# Altium PCB 4_layers_Testboard.PcbDoc (part 2 of 3)
Units mil, origin at the board's own origin, x right, y up, seen from the top; angles counter-clockwise.
Board outline 5500 x 5000 mil, 4 copper layers (Top layer, Inner Layer 1, Inner Layer 2, Bottom Layer), stack 13.956 mil thick; 137 components, 95 nets, 1379 pads, 755 vias.
Unrouted connection lines stored in the file: 363.
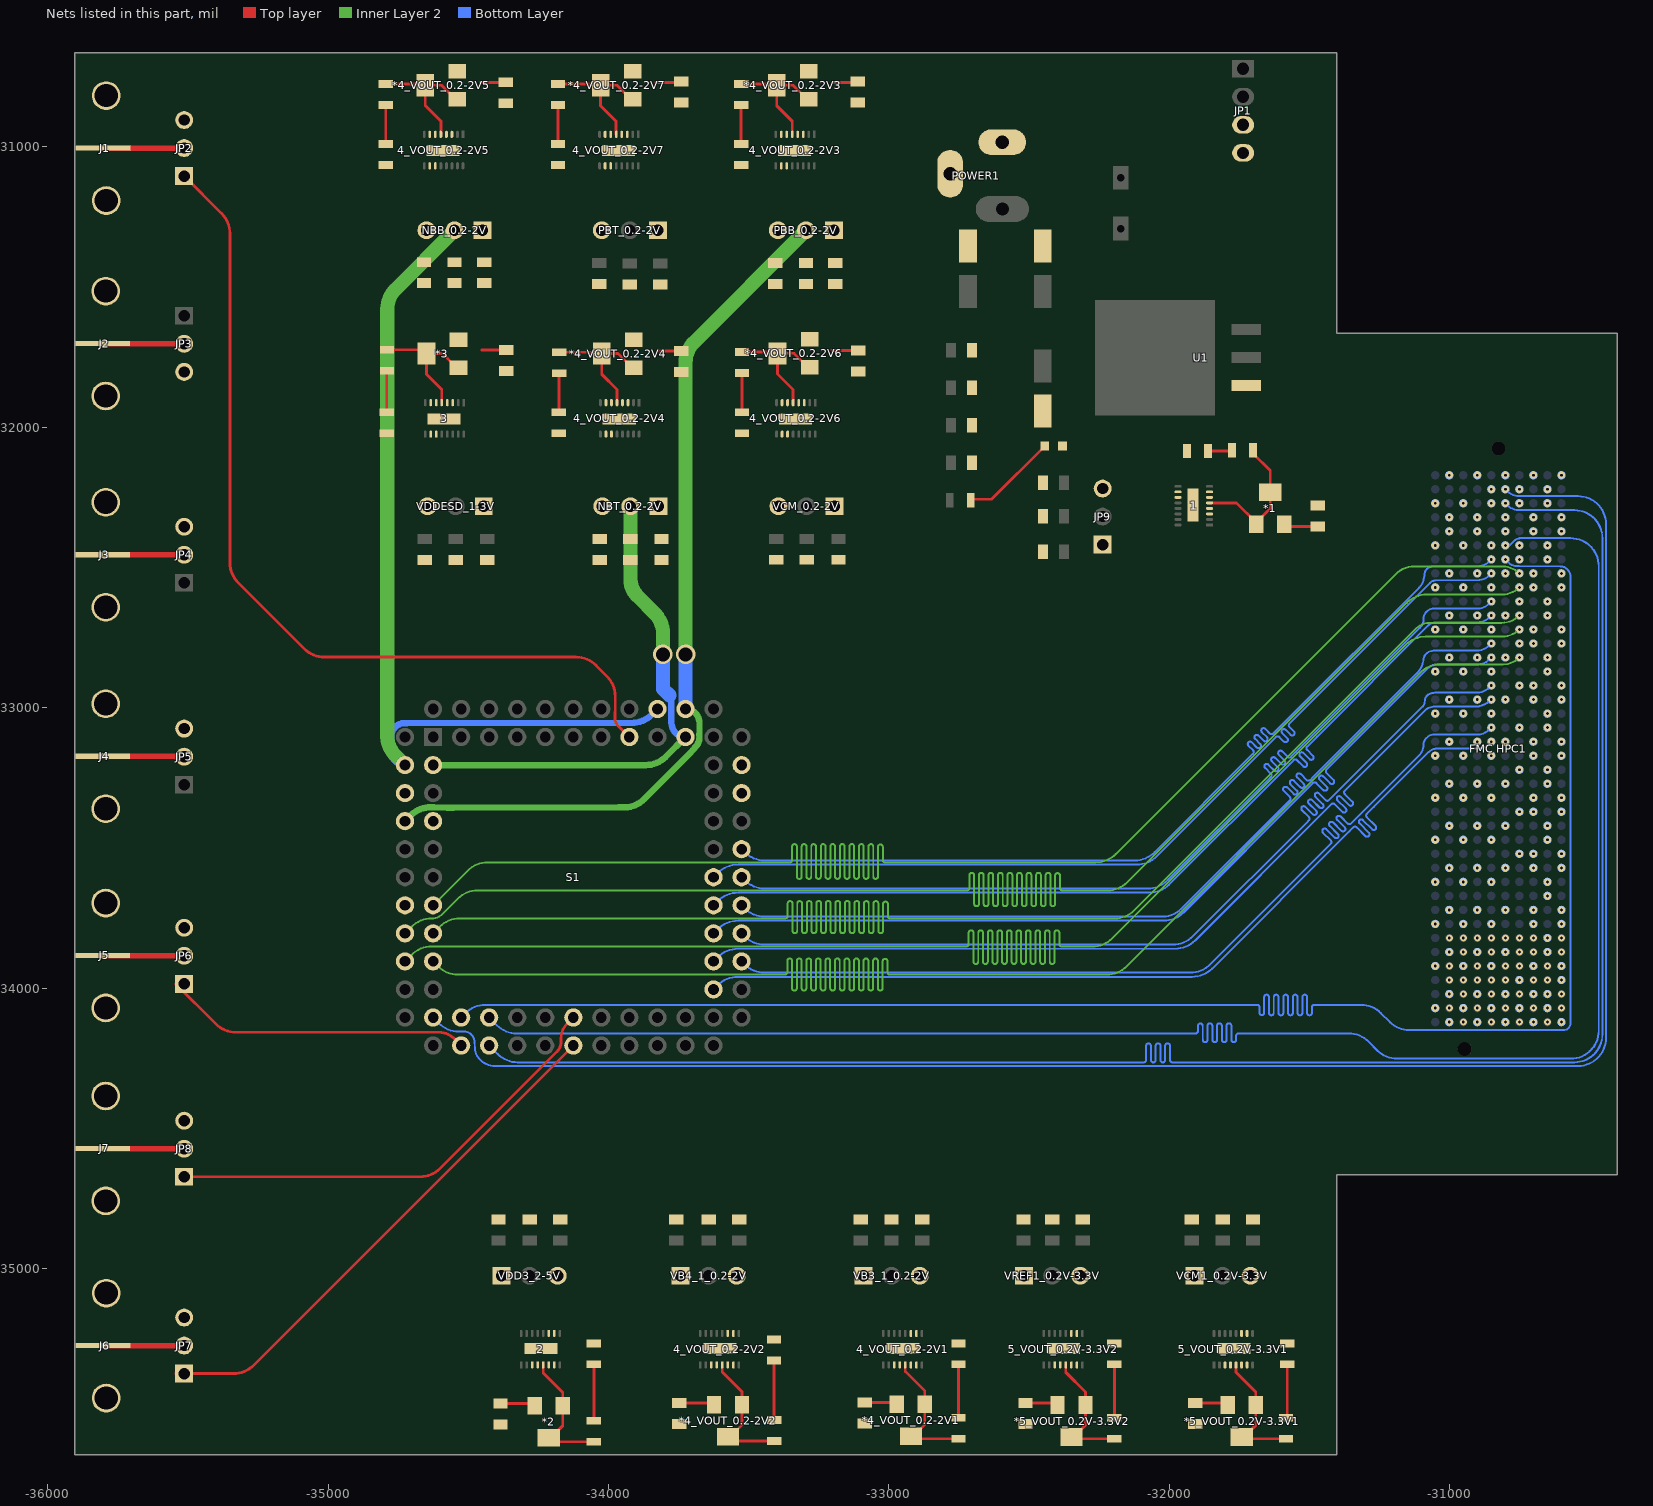
[diagram p4: the nets of this part, all layers, seen from the top]

## Via types
v1: diameter 25, hole 10, Top layer to Bottom Layer, 399 vias
v2: diameter 16, hole 8, Top layer to Bottom Layer, 336 vias
v3: diameter 70, hole 50, Top layer to Bottom Layer, 15 vias
v4: diameter 50, hole 35, Top layer to Bottom Layer, 2 vias
v5: diameter 32, hole 16, Top layer to Bottom Layer, 2 vias
v6: diameter 25, hole 10, Top layer to Bottom Layer, tented both sides, 1 vias

## Nets (pads, with @x,y where several pads share a name; then routed paths per layer and width w, separated by ;. In a path a pad name is that pad's centre, name@x,y a point inside that pad or via, vN(x,y) a via of type N, cw(c..) or ccw(c..) an arc to the next point about the centre after c; other vN are vias at no path point) (continued)
ADC_DOUT1: "FMC HPC1.F20" S1.15 | length 3355.5
  Bottom Layer w7: S1.15@-33625.44,-34005 -33609.73,-33989.29 cw(c-33539.02,-34060) -33539.02,-33960 -31918.42,-33960 ccw(c-31918.42,-33860) -31847.71,-33930.71 -31358.53,-33441.53 -31344.03,-33427.03 cw(c-31338.02,-33433.04) -31332.01,-33427.03 -31301.12,-33457.92 ccw(c-31295.11,-33451.91) -31289.1,-33457.92 ccw(c-31295.11,-33451.91) -31289.1,-33445.9 -31321.8,-33413.2 cw(c-31315.79,-33407.19) -31321.8,-33401.18 cw(c-31315.79,-33407.19) -31309.78,-33401.18 -31277.08,-33433.88 ccw(c-31271.07,-33427.87) -31265.06,-33433.88 ccw(c-31271.07,-33427.87) -31265.06,-33421.86 -31295.95,-33390.97 cw(c-31289.94,-33384.96) -31295.95,-33378.95 -31270.98,-33353.98 -31074.95,-33157.95 cw(c-31047.97,-33184.93) -31065.52,-33151.05 ccw(c-31068.78,-33144.85) -31065.09,-33150.8 cw(c-31052,-33171.51) -31053.95,-33147.09 ccw(c-31054.54,-33140.11) -31053.51,-33147.04 -31050.83,-33146.64 cw(c-31049.79,-33153.56) -31049.83,-33146.56 -30984.39,-33146.56 -30955.13,-33146.37 -30901.84,-33146.01 ccw(c-30901.84,-33084.84) -30858.58,-33128.1 v1(-30852,-33121.51) v1@-30862.47,-33121.51
ADC_DOUT2: "FMC HPC1.F19" S1.16 | length 3373.1
  Bottom Layer w7: S1.16@-33525.44,-33905 -33514.73,-33915.71 ccw(c-33444.02,-33845) -33444.02,-33945 -31925.42,-33945 ccw(c-31925.42,-33845) -31854.71,-33915.71 -31427.09,-33488.09 -31424.61,-33485.61 ccw(c-31430.63,-33479.6) -31424.61,-33473.59 -31452.34,-33445.87 cw(c-31446.33,-33439.86) -31452.34,-33433.85 cw(c-31446.33,-33439.86) -31440.32,-33433.85 -31410.79,-33463.38 ccw(c-31404.78,-33457.37) -31398.77,-33463.38 ccw(c-31404.78,-33457.37) -31398.77,-33451.36 -31428.3,-33421.83 cw(c-31422.29,-33415.82) -31428.3,-33409.81 cw(c-31422.29,-33415.82) -31416.28,-33409.81 -31386.74,-33439.34 ccw(c-31380.73,-33433.33) -31374.72,-33439.34 ccw(c-31380.73,-33433.33) -31374.72,-33427.32 -31401.6,-33400.45 cw(c-31395.59,-33394.43) -31401.6,-33388.42 cw(c-31395.59,-33394.44) -31389.58,-33388.42 -31364.51,-33413.49 ccw(c-31358.5,-33407.48) -31352.49,-33413.49 -31327.05,-33388.05 -31110.26,-33171.26 ccw(c-31149.53,-33132) -31094,-33132 cw(c-31062.86,-33132) -31084.88,-33109.98 -31082.46,-33107.56 cw(c-31054.57,-33135.46) -31054.57,-33096.01 -30902,-33096.01 ccw(c-30902,-33034.45) -30892.88,-33095.33 ccw(c-30902,-33034.45) -30867.42,-33085.38 ; -30867.42,-33085.38 ccw(c-30902,-33034.45) -30858.47,-33077.98 v1(-30852,-33071.51) -30858.79,-33077.62 -30867.42,-33085.38
ADC_DOUT3: "FMC HPC1.F17" S1.17 | length 3394.7
  Bottom Layer w7: S1.17@-33625.44,-33905 -33609.73,-33889.29 cw(c-33539.02,-33960) -33539.02,-33860 -31979.42,-33860 ccw(c-31979.42,-33760) -31908.71,-33830.71 -31437.05,-33359.05 -31422.55,-33344.55 cw(c-31416.54,-33350.56) -31410.53,-33344.55 -31383.34,-33371.75 ccw(c-31377.32,-33365.74) -31371.31,-33371.75 ccw(c-31377.32,-33365.74) -31371.31,-33359.73 -31400.82,-33330.22 cw(c-31394.81,-33324.21) -31400.82,-33318.2 cw(c-31394.81,-33324.21) -31388.8,-33318.2 -31359.29,-33347.71 ccw(c-31353.28,-33341.7) -31347.27,-33347.71 ccw(c-31353.28,-33341.7) -31347.27,-33335.68 -31374.47,-33308.49 cw(c-31368.46,-33302.48) -31374.47,-33296.47 -31339.44,-33261.44 -31087.19,-33009.19 cw(c-31057.47,-33038.91) -31057.47,-32996.88 cw(c-31057,-33040.05) -31057,-32996.88 -30944.99,-32996.25 -30911.73,-32996.25 ccw(c-30911.73,-32911.78) -30904.8,-32995.97 cw(c-30904.15,-33002.94) -30903.7,-32995.95 ccw(c-30902,-32971.51) -30892.66,-32994.16 cw(c-30889.98,-33000.63) -30891.67,-32993.84 ccw(c-30911.73,-32911.78) v1(-30852,-32971.51) cw(c-30913.53,-32909.98) -30894.98,-32995
ADC_DOUT4: "FMC HPC1.F16" S1.18 | length 3345.8
  Bottom Layer w7: S1.18@-33525.44,-33805 -33514.73,-33815.71 ccw(c-33444.02,-33745) -33444.02,-33845 -31987.42,-33845 ccw(c-31987.42,-33745) -31916.71,-33815.71 -31505.57,-33404.57 -31503.09,-33402.09 ccw(c-31509.1,-33396.08) -31503.09,-33390.07 -31527.16,-33366.01 cw(c-31521.15,-33360) -31527.16,-33353.99 cw(c-31521.15,-33360) -31515.14,-33353.99 -31488.77,-33380.36 ccw(c-31482.75,-33374.35) -31476.74,-33380.36 ccw(c-31482.75,-33374.35) -31476.74,-33368.34 -31503.12,-33341.97 cw(c-31497.11,-33335.96) -31503.12,-33329.95 cw(c-31497.11,-33335.96) -31491.09,-33329.95 -31464.72,-33356.32 ccw(c-31458.71,-33350.31) -31452.7,-33356.32 ccw(c-31458.71,-33350.31) -31452.7,-33344.3 -31479.07,-33317.93 cw(c-31473.06,-33311.92) -31479.07,-33305.9 cw(c-31473.06,-33311.92) -31467.05,-33305.9 -31442.99,-33329.97 ccw(c-31436.98,-33323.96) -31430.97,-33329.97 -31374.94,-33273.94 -31096.37,-32995.37 ccw(c-31113.25,-32978.5) -31089.39,-32978.5 cw(c-31058.35,-32978.5) -31058.35,-32947.47 -31054.14,-32947.11 ; -31054.11,-32947.1 cw(c-31052,-32971.51) -31052.16,-32947.01 -31052.11,-32947.01 -30902,-32946.01 ccw(c-30902,-32884.45) -30858.47,-32927.98 v1(-30852,-32921.51)
ADC_DOUT5: "FMC HPC1.F14" S1.19 | length 3348
  Bottom Layer w7: S1.19@-33625.44,-33805 -33609.73,-33789.29 cw(c-33539.02,-33860) -33539.02,-33760 -32020.42,-33760 ccw(c-32020.42,-33660) -31949.71,-33730.71 -31502.55,-33283.55 -31488.05,-33269.05 cw(c-31482.04,-33275.06) -31476.03,-33269.05 -31450.97,-33294.12 ccw(c-31444.96,-33288.11) -31438.95,-33294.12 ccw(c-31444.96,-33288.11) -31438.95,-33282.09 -31464.01,-33257.03 cw(c-31458,-33251.02) -31464.01,-33245.01 cw(c-31458,-33251.02) -31451.99,-33245.01 -31426.93,-33270.07 ccw(c-31420.91,-33264.06) -31414.9,-33270.07 ccw(c-31420.91,-33264.06) -31414.9,-33258.05 -31439.97,-33232.99 cw(c-31433.96,-33226.98) -31439.97,-33220.97 -31425.03,-33206.03 -31079.87,-32860.87 cw(c-31044,-32896.74) -31063.99,-32850.12 ccw(c-31066.8,-32843.71) -31063.55,-32849.9 cw(c-31052,-32871.51) -31055.01,-32847.2 ccw(c-31055.93,-32840.26) -31054.53,-32847.12 cw(c-31044,-32896.74) -31044,-32846.01 -30902,-32846.01 ccw(c-30901.98,-32784.49) -30876.38,-32840.43 ccw(c-30901.98,-32784.49) -30858.48,-32827.99 v1(-30852,-32821.51)
ADC_DOUT6: "FMC HPC1.F13" S1.20 | length 3353.8
  Bottom Layer w7: S1.20@-33525.44,-33705 -33514.73,-33715.71 ccw(c-33444.02,-33645) -33444.02,-33745 -32023.18,-33745 ccw(c-32023.18,-33652.82) -31958,-33718 -31573.05,-33333.05 -31570.57,-33330.57 ccw(c-31576.58,-33324.56) -31570.57,-33318.55 -31592.26,-33296.87 cw(c-31586.25,-33290.86) -31592.26,-33284.85 cw(c-31586.25,-33290.86) -31580.24,-33284.85 -31557.24,-33307.84 ccw(c-31551.23,-33301.83) -31545.22,-33307.84 ccw(c-31551.23,-33301.83) -31545.22,-33295.82 -31568.22,-33272.83 cw(c-31562.2,-33266.82) -31568.22,-33260.81 cw(c-31562.2,-33266.82) -31556.19,-33260.81 -31533.2,-33283.8 ccw(c-31527.19,-33277.79) -31521.18,-33283.8 ccw(c-31527.19,-33277.79) -31521.18,-33271.78 -31544.17,-33248.79 cw(c-31538.16,-33242.77) -31544.17,-33236.76 cw(c-31538.16,-33242.77) -31532.15,-33236.76 -31510.47,-33258.45 ccw(c-31504.46,-33252.44) -31498.45,-33258.45 -31486.38,-33246.38 -31115.92,-32875.92 ccw(c-31168.84,-32823) -31107.92,-32866.47 ccw(c-31168.84,-32823) -31094.82,-32834.03 ; v1(-30852,-32771.51) -30857.28,-32776.79 cw(c-30904.69,-32729.38) -30904.69,-32796.43 -31052,-32797.01 -31057.8,-32797.01 ccw(c-31057.8,-32834.03) -31094.09,-32826.75 ; -31094.82,-32834.03 ccw(c-31168.84,-32823) -31094.09,-32826.75 ; -31094.82,-32834.03 cw(c-31057.8,-32834.03) -31094.09,-32826.75
ADC_DOUT7: "FMC HPC1.F11" S1.21 | length 3352.3
  Bottom Layer w7: S1.21@-33625.44,-33705 -33609.73,-33689.29 cw(c-33539.02,-33760) -33539.02,-33660 -32071.42,-33660 ccw(c-32071.42,-33560) -32000.71,-33630.71 -31571.51,-33201.51 -31557.01,-33187.01 cw(c-31551,-33193.02) -31544.99,-33187.01 -31523.06,-33208.94 ccw(c-31517.05,-33202.93) -31511.04,-33208.94 ccw(c-31517.05,-33202.93) -31511.04,-33196.92 -31534.28,-33173.68 cw(c-31528.27,-33167.67) -31534.28,-33161.66 cw(c-31528.27,-33167.67) -31522.26,-33161.66 -31500.05,-33183.87 ccw(c-31494.04,-33177.86) -31488.03,-33183.87 ccw(c-31494.04,-33177.86) -31488.03,-33171.85 -31508.93,-33150.95 cw(c-31502.92,-33144.94) -31508.93,-33138.93 -31473.31,-33103.31 -31077.21,-32707.21 cw(c-31050.17,-32734.26) -31050.17,-32696.01 -30902,-32696.01 ccw(c-30902,-32634.45) -30858.47,-32677.98 v1(-30852,-32671.51)
ADC_DOUT8: "FMC HPC1.F10" S1.22 | length 3352.3
  Bottom Layer w7: S1.22@-33525.44,-33605 -33514.73,-33615.71 ccw(c-33444.02,-33545) -33444.02,-33645 -32077.42,-33645 ccw(c-32077.42,-33545) -32006.71,-33615.71 -31641.03,-33250.03 -31638.55,-33247.55 ccw(c-31644.56,-33241.54) -31638.55,-33235.53 -31658.77,-33215.31 cw(c-31652.76,-33209.3) -31658.77,-33203.29 cw(c-31652.76,-33209.3) -31646.75,-33203.29 -31625.22,-33224.82 ccw(c-31619.21,-33218.81) -31613.2,-33224.82 ccw(c-31619.21,-33218.81) -31613.2,-33212.8 -31634.73,-33191.27 cw(c-31628.72,-33185.26) -31634.73,-33179.25 cw(c-31628.72,-33185.26) -31622.71,-33179.25 -31601.18,-33200.78 ccw(c-31595.17,-33194.77) -31589.16,-33200.78 ccw(c-31595.17,-33194.77) -31589.16,-33188.76 -31609.66,-33168.25 cw(c-31603.65,-33162.24) -31609.66,-33156.23 cw(c-31603.65,-33162.24) -31597.64,-33156.23 -31578.45,-33175.43 ccw(c-31572.44,-33169.42) -31566.43,-33175.43 -31549.1,-33158.1 -31106.73,-32715.73 ccw(c-31137.46,-32685) -31094,-32685 cw(c-31055.01,-32685) -31093.99,-32684.14 cw(c-31055.01,-32685) -31091.78,-32672.03 cw(c-31055.01,-32685) -31055.01,-32646.01 -31052.14,-32646.01 -30944.6,-32646.73 -30901.89,-32647.01 ccw(c-30901.89,-32588.13) -30901.84,-32647.01 ccw(c-30901.89,-32588.13) -30892.67,-32646.29 ccw(c-30901.89,-32588.13) -30860.25,-32629.77 v1(-30852,-32621.51)
ADC_DOUT9: "FMC HPC1.F8" S1.23 | length 3344
  Bottom Layer w7: S1.23@-33625.44,-33605 -33609.73,-33589.29 cw(c-33539.02,-33660) -33539.02,-33560 -32116.42,-33560 ccw(c-32116.42,-33460) -32045.71,-33530.71 -31634.53,-33119.53 -31620.03,-33105.03 cw(c-31614.02,-33111.04) -31608.01,-33105.03 -31592.02,-33121.03 ccw(c-31586.01,-33115.01) -31580,-33121.03 ccw(c-31586.01,-33115.01) -31580,-33109 -31597.8,-33091.2 cw(c-31591.79,-33085.19) -31597.8,-33079.18 cw(c-31591.79,-33085.19) -31585.78,-33079.18 -31567.97,-33096.98 ccw(c-31561.96,-33090.97) -31555.95,-33096.98 ccw(c-31561.96,-33090.97) -31555.95,-33084.96 -31571.95,-33068.97 cw(c-31565.94,-33062.96) -31571.95,-33056.95 -31549.18,-33034.18 -31070.96,-32555.96 ccw(c-31075.95,-32551.05) -31070.65,-32555.62 cw(c-31052,-32571.51) -31062.4,-32549.33 cw(c-31052.16,-32570.79) -31052.18,-32547.01 ; -31052.16,-32547.01 -30902,-32546.01 ccw(c-30902,-32484.45) -30858.47,-32527.98 v1(-30852,-32521.51)
ADC_DOUT10: "FMC HPC1.F7" S1.24 | length 3350.6
  Bottom Layer w7: S1.24@-33525.44,-33505 -33514.73,-33515.71 ccw(c-33444.02,-33445) -33444.02,-33545 -32123.42,-33545 ccw(c-32123.42,-33445) -32052.71,-33515.71 -31704.03,-33167.03 -31701.55,-33164.55 ccw(c-31707.56,-33158.54) -31701.55,-33152.53 -31718.19,-33135.89 cw(c-31712.18,-33129.88) -31718.19,-33123.87 cw(c-31712.18,-33129.88) -31706.17,-33123.87 -31687.72,-33142.32 ccw(c-31681.71,-33136.31) -31675.7,-33142.32 ccw(c-31681.71,-33136.31) -31675.7,-33130.3 -31694.15,-33111.85 cw(c-31688.14,-33105.84) -31694.15,-33099.83 cw(c-31688.14,-33105.84) -31682.13,-33099.83 -31663.68,-33118.28 ccw(c-31657.67,-33112.27) -31651.66,-33118.28 ccw(c-31657.67,-33112.27) -31651.66,-33106.26 -31670.11,-33087.81 cw(c-31664.1,-33081.8) -31670.11,-33075.79 cw(c-31664.1,-33081.8) -31658.09,-33075.79 -31641.45,-33092.43 ccw(c-31635.44,-33086.42) -31629.43,-33092.43 -31575.26,-33038.26 -31109.38,-32572.38 ccw(c-31153.77,-32528) -31091,-32528 cw(c-31059,-32528) -31059.78,-32496.01 cw(c-31059,-32528) -31059,-32496 -31052.7,-32496 cw(c-31052.74,-32503) -31052.61,-32496 ccw(c-31052,-32471.51) -31051.4,-32496 cw(c-31051.26,-32503) -31051.31,-32496 -31037,-32496 -31002.01,-32496.01 -30902,-32496.01 ccw(c-30902,-32434.45) -30858.47,-32477.98 v1(-30852,-32471.51)
ADC_VIN: JP2.1 S1.40 | length 3210
  Top layer w10: JP2.1@-35513,-31105 -35379.29,-31238.71 cw(c-35450,-31309.42) -35350,-31309.42 -35350,-32483.58 ccw(c-35250,-32483.58) -35320.71,-32554.29 -35084.29,-32790.71 ccw(c-35013.58,-32720) -35013.58,-32820 -34115.42,-32820 cw(c-34115.42,-32920) -34044.71,-32849.29 -34005.29,-32888.71 cw(c-34076,-32959.42) -33976,-32959.42 -33976,-33014.59 cw(c-33979.41,-33014.59) -33977,-33017 -33977,-33040 ccw(c-33944.56,-33040) -33967.5,-33062.94 S1.40@-33925.44,-33105
DAC_CLK_AZ_IN1: "FMC HPC1.D12" S1.70 | length 6576.3
  Inner Layer 2 w7: S1.70@-34725.44,-33905 -34701.73,-33881.29 cw(c-34631.02,-33952) -34631.02,-33852 -32727.55,-33852 -32724.05,-33852 ccw(c-32724.05,-33843.5) -32715.55,-33843.5 -32715.55,-33802.77 cw(c-32707.05,-33802.77) -32698.55,-33802.77 -32698.55,-33905.76 ccw(c-32690.05,-33905.76) -32681.55,-33905.76 -32681.55,-33802.77 cw(c-32673.05,-33802.77) -32664.55,-33802.77 -32664.55,-33905.76 ccw(c-32656.05,-33905.76) -32647.55,-33905.76 -32647.55,-33802.77 cw(c-32639.05,-33802.77) -32630.55,-33802.77 -32630.55,-33905.76 ccw(c-32622.05,-33905.76) -32613.55,-33905.76 -32613.55,-33802.77 cw(c-32605.05,-33802.77) -32596.55,-33802.77 -32596.55,-33905.76 ccw(c-32588.05,-33905.76) -32579.55,-33905.76 -32579.55,-33802.77 cw(c-32571.05,-33802.77) -32562.55,-33802.77 -32562.55,-33905.76 ccw(c-32554.05,-33905.76) -32545.55,-33905.76 -32545.55,-33802.77 cw(c-32537.05,-33802.77) -32528.55,-33802.77 -32528.55,-33905.76 ccw(c-32520.05,-33905.76) -32511.55,-33905.76 -32511.55,-33802.77 cw(c-32503.05,-33802.77) -32494.55,-33802.77 -32494.55,-33905.76 ccw(c-32486.05,-33905.76) -32477.55,-33905.76 -32477.55,-33802.77 cw(c-32469.05,-33802.77) -32460.55,-33802.77 -32460.55,-33905.76 ccw(c-32452.05,-33905.76) -32443.55,-33905.76 -32443.55,-33802.77 cw(c-32435.05,-33802.77) -32426.55,-33802.77 -32426.55,-33905.76 ccw(c-32418.05,-33905.76) -32409.55,-33905.76 -32409.55,-33802.77 cw(c-32401.05,-33802.77) -32392.55,-33802.77 -32392.55,-33843.5 ccw(c-32384.05,-33843.5) -32384.05,-33852 -32330.56,-33852 -32274.42,-33852 ccw(c-32274.42,-33752) -32203.71,-33822.71 -31157.29,-32776.29 cw(c-31086.58,-32847) -31086.58,-32747 -30813.53,-32747 ccw(c-30813.53,-32659.98) v1(-30752,-32721.51)
DAC_CLK_DAC_IN1: "FMC HPC1.D14" S1.71 | length 6583.2
  Inner Layer 2 w7: S1.71@-34625.44,-33905 -34607.73,-33922.71 ccw(c-34537.02,-33852) -34537.02,-33952 -33374.39,-33952 -33370.89,-33952 ccw(c-33370.89,-33943.5) -33362.39,-33943.5 -33362.39,-33903.2 cw(c-33353.89,-33903.2) -33345.39,-33903.2 -33345.39,-34000.52 ccw(c-33336.89,-34000.52) -33328.39,-34000.52 -33328.39,-33903.2 cw(c-33319.89,-33903.2) -33311.39,-33903.2 -33311.39,-34000.52 ccw(c-33302.89,-34000.52) -33294.39,-34000.52 -33294.39,-33903.2 cw(c-33285.89,-33903.2) -33277.39,-33903.2 -33277.39,-34000.52 ccw(c-33268.89,-34000.52) -33260.39,-34000.52 -33260.39,-33903.2 cw(c-33251.89,-33903.2) -33243.39,-33903.2 -33243.39,-34000.52 ccw(c-33234.89,-34000.52) -33226.39,-34000.52 -33226.39,-33903.2 cw(c-33217.89,-33903.2) -33209.39,-33903.2 -33209.39,-34000.52 ccw(c-33200.89,-34000.52) -33192.39,-34000.52 -33192.39,-33903.2 cw(c-33183.89,-33903.2) -33175.39,-33903.2 -33175.39,-34000.52 ccw(c-33166.89,-34000.52) -33158.39,-34000.52 -33158.39,-33903.2 cw(c-33149.89,-33903.2) -33141.39,-33903.2 -33141.39,-34000.52 ccw(c-33132.89,-34000.52) -33124.39,-34000.52 -33124.39,-33903.2 cw(c-33115.89,-33903.2) -33107.39,-33903.2 -33107.39,-34000.52 ccw(c-33098.89,-34000.52) -33090.39,-34000.52 -33090.39,-33903.2 cw(c-33081.89,-33903.2) -33073.39,-33903.2 -33073.39,-34000.52 ccw(c-33064.89,-34000.52) -33056.39,-34000.52 -33056.39,-33903.2 cw(c-33047.89,-33903.2) -33039.39,-33903.2 -33039.39,-34000.52 ccw(c-33030.89,-34000.52) -33022.39,-34000.52 -33022.39,-33904.16 cw(c-33013.89,-33904.16) -33005.39,-33904.16 -33005.39,-33943.5 ccw(c-32996.89,-33943.5) -32996.89,-33952 -32921.77,-33952 -32223.42,-33952 ccw(c-32223.42,-33852) -32152.71,-33922.71 -31105.29,-32875.29 cw(c-31034.58,-32946) -31060.82,-32849.51 cw(c-31034.58,-32946) -31034.58,-32846 -30811.12,-32846 ccw(c-30811.12,-32762.39) v1(-30752,-32821.51)
DAC_CLK_IN1: "FMC HPC1.E2" S1.76 | length 6587.4
  Bottom Layer w7: S1.76@-34625.44,-34105 -34604.73,-34125.71 ccw(c-34534.02,-34055) -34534.02,-34155 -34515.56,-34155 cw(c-34515.56,-34192.56) -34489,-34166 cw(c-34517.97,-34194.97) -34477,-34194.97 -34477,-34197.72 cw(c-34528.56,-34201.56) -34476.86,-34201.56 -34476.86,-34204.97 -34476.72,-34211.95 ccw(c-34417.99,-34211.95) -34476.67,-34214.34 ccw(c-34417.99,-34211.95) -34459.52,-34253.47 -34449.99,-34262.99 ccw(c-34403.58,-34198.72) -34403.58,-34278 -30543,-34278 ccw(c-30543,-34178) -30443,-34178 -30443,-32346 ccw(c-30543,-32346) -30543,-32246 -30572.08,-32246 -30601.99,-32246.01 -30752,-32246.01 cw(c-30752,-32184.45) -30795.53,-32227.98 v1(-30802,-32221.51)
DAC_DATAIN_IN1: "FMC HPC1.D9" S1.68 | length 6583.2
  Inner Layer 2 w7: S1.68@-34725.44,-33805 -34701.73,-33781.29 cw(c-34631.02,-33852) -34631.02,-33752 ccw(c-34631.02,-33696.43) -34591.72,-33735.72 -34537.29,-33681.29 cw(c-34466.58,-33752) -34466.58,-33652 -32725.19,-33652 -32721.69,-33652 ccw(c-32721.69,-33643.5) -32713.19,-33643.5 -32713.19,-33597.78 cw(c-32704.69,-33597.78) -32696.19,-33597.78 -32696.19,-33699.89 ccw(c-32687.69,-33699.89) -32679.19,-33699.89 -32679.19,-33597.78 cw(c-32670.69,-33597.78) -32662.19,-33597.78 -32662.19,-33699.89 ccw(c-32653.69,-33699.89) -32645.19,-33699.89 -32645.19,-33597.78 cw(c-32636.69,-33597.78) -32628.19,-33597.78 -32628.19,-33699.89 ccw(c-32619.69,-33699.89) -32611.19,-33699.89 -32611.19,-33597.78 cw(c-32602.69,-33597.78) -32594.19,-33597.78 -32594.19,-33699.89 ccw(c-32585.69,-33699.89) -32577.19,-33699.89 -32577.19,-33597.78 cw(c-32568.69,-33597.78) -32560.19,-33597.78 -32560.19,-33699.89 ccw(c-32551.69,-33699.89) -32543.19,-33699.89 -32543.19,-33597.78 cw(c-32534.69,-33597.78) -32526.19,-33597.78 -32526.19,-33699.89 ccw(c-32517.69,-33699.89) -32509.19,-33699.89 -32509.19,-33597.78 cw(c-32500.69,-33597.78) -32492.19,-33597.78 -32492.19,-33699.89 ccw(c-32483.69,-33699.89) -32475.19,-33699.89 -32475.19,-33597.78 cw(c-32466.69,-33597.78) -32458.19,-33597.78 -32458.19,-33699.89 ccw(c-32449.69,-33699.89) -32441.19,-33699.89 -32441.19,-33597.78 cw(c-32432.69,-33597.78) -32424.19,-33597.78 -32424.19,-33699.89 ccw(c-32415.69,-33699.89) -32407.19,-33699.89 -32407.19,-33598.48 cw(c-32398.69,-33598.48) -32390.19,-33598.48 -32390.19,-33643.5 ccw(c-32381.69,-33643.5) -32381.69,-33652 -32294.96,-33652 -32220.42,-33652 ccw(c-32220.42,-33552) -32149.71,-33622.71 -31153.29,-32626.29 cw(c-31082.58,-32697) -31082.58,-32597 -30813.53,-32597 ccw(c-30813.53,-32509.98) v1(-30752,-32571.51)
DAC_RST_IN1: "FMC HPC1.D11" S1.69 | length 6583.2
  Inner Layer 2 w7: S1.69@-34625.44,-33805 -34601.73,-33781.29 cw(c-34531.02,-33852) -34531.02,-33752 -33373,-33752 -33369.5,-33752 ccw(c-33369.5,-33743.5) -33361,-33743.5 -33361,-33698.3 cw(c-33352.5,-33698.3) -33344,-33698.3 -33344,-33796.06 ccw(c-33335.5,-33796.06) -33327,-33796.06 -33327,-33698.3 cw(c-33318.5,-33698.3) -33310,-33698.3 -33310,-33796.06 ccw(c-33301.5,-33796.06) -33293,-33796.06 -33293,-33698.3 cw(c-33284.5,-33698.3) -33276,-33698.3 -33276,-33796.06 ccw(c-33267.5,-33796.06) -33259,-33796.06 -33259,-33698.3 cw(c-33250.5,-33698.3) -33242,-33698.3 -33242,-33796.06 ccw(c-33233.5,-33796.06) -33225,-33796.06 -33225,-33698.3 cw(c-33216.5,-33698.3) -33208,-33698.3 -33208,-33796.06 ccw(c-33199.5,-33796.06) -33191,-33796.06 -33191,-33698.3 cw(c-33182.5,-33698.3) -33174,-33698.3 -33174,-33796.06 ccw(c-33165.5,-33796.06) -33157,-33796.06 -33157,-33698.3 cw(c-33148.5,-33698.3) -33140,-33698.3 -33140,-33796.06 ccw(c-33131.5,-33796.06) -33123,-33796.06 -33123,-33698.3 cw(c-33114.5,-33698.3) -33106,-33698.3 -33106,-33796.06 ccw(c-33097.5,-33796.06) -33089,-33796.06 -33089,-33698.3 cw(c-33080.5,-33698.3) -33072,-33698.3 -33072,-33796.06 ccw(c-33063.5,-33796.06) -33055,-33796.06 -33055,-33698.3 cw(c-33046.5,-33698.3) -33038,-33698.3 -33038,-33796.06 ccw(c-33029.5,-33796.06) -33021,-33796.06 -33021,-33700.13 cw(c-33012.5,-33700.13) -33004,-33700.13 -33004,-33743.5 ccw(c-32995.5,-33743.5) -32995.5,-33752 -32907.49,-33752 -32195.42,-33752 ccw(c-32195.42,-33652) -32124.71,-33722.71 -31119.09,-32717.09 ; -31119.07,-32717.07 cw(c-31073,-32763.18) -31073,-32698 -30815.95,-32698 ccw(c-30815.95,-32607.56) v1(-30752,-32671.51)
DAC_SHIFTOUT1: "FMC HPC1.E6" S1.80 | length 6587.8
  Bottom Layer w7: S1.80@-34425.44,-34105 -34397.73,-34132.71 ccw(c-34327.02,-34062) -34327.02,-34162 -31941.74,-34162 -31906.5,-34162 ccw(c-31906.5,-34153.5) -31898,-34153.5 -31898,-34135.05 cw(c-31889.5,-34135.05) -31881,-34135.05 -31881,-34184.66 ccw(c-31872.5,-34184.66) -31864,-34184.66 -31864,-34134.38 cw(c-31855.5,-34134.38) -31847,-34134.38 -31847,-34184.66 ccw(c-31838.5,-34184.66) -31830,-34184.66 -31830,-34134.38 cw(c-31821.5,-34134.38) -31813,-34134.38 -31813,-34184.66 ccw(c-31804.5,-34184.66) -31796,-34184.66 -31796,-34134.38 cw(c-31787.5,-34134.38) -31779,-34134.38 -31779,-34184.66 ccw(c-31770.5,-34184.66) -31762,-34184.66 -31762,-34170.5 cw(c-31753.5,-34170.5) -31753.5,-34162 -31750,-34162 -31360.42,-34162 cw(c-31360.42,-34262) -31289.71,-34191.29 -31258.29,-34222.71 ccw(c-31187.58,-34152) -31187.58,-34252 -30569,-34252 ccw(c-30569,-34152) -30469,-34152 -30469,-32496 ccw(c-30569,-32496) -30569,-32396 -30601.17,-32396 ccw(c-30601.13,-32403) -30601.29,-32396 cw(c-30602,-32371.51) -30602.71,-32396 ccw(c-30602.87,-32403) -30602.83,-32396 -30651.17,-32396 ccw(c-30651.13,-32403) -30651.29,-32396 cw(c-30652,-32371.51) -30652.71,-32396 ccw(c-30652.87,-32403) -30652.83,-32396 -30701.17,-32396 ccw(c-30701.13,-32403) -30701.29,-32396 cw(c-30702,-32371.51) -30702.71,-32396 ccw(c-30702.87,-32403) -30702.83,-32396 -30750.15,-32396 ccw(c-30750.11,-32403) -30752.05,-32396.27 -30755.04,-32397.14 cw(c-30756.98,-32390.41) -30755.83,-32397.31 ccw(c-30752,-32421.51) -30770.4,-32405.33 cw(c-30775.63,-32400.68) -30770.64,-32405.59 -30784.53,-32419.48 cw(c-30789.46,-32414.51) -30789.46,-32421.51 v1(-30802,-32421.51)